# KiCad board poly_kb_molecule_8x5.kicad_pcb (continued)
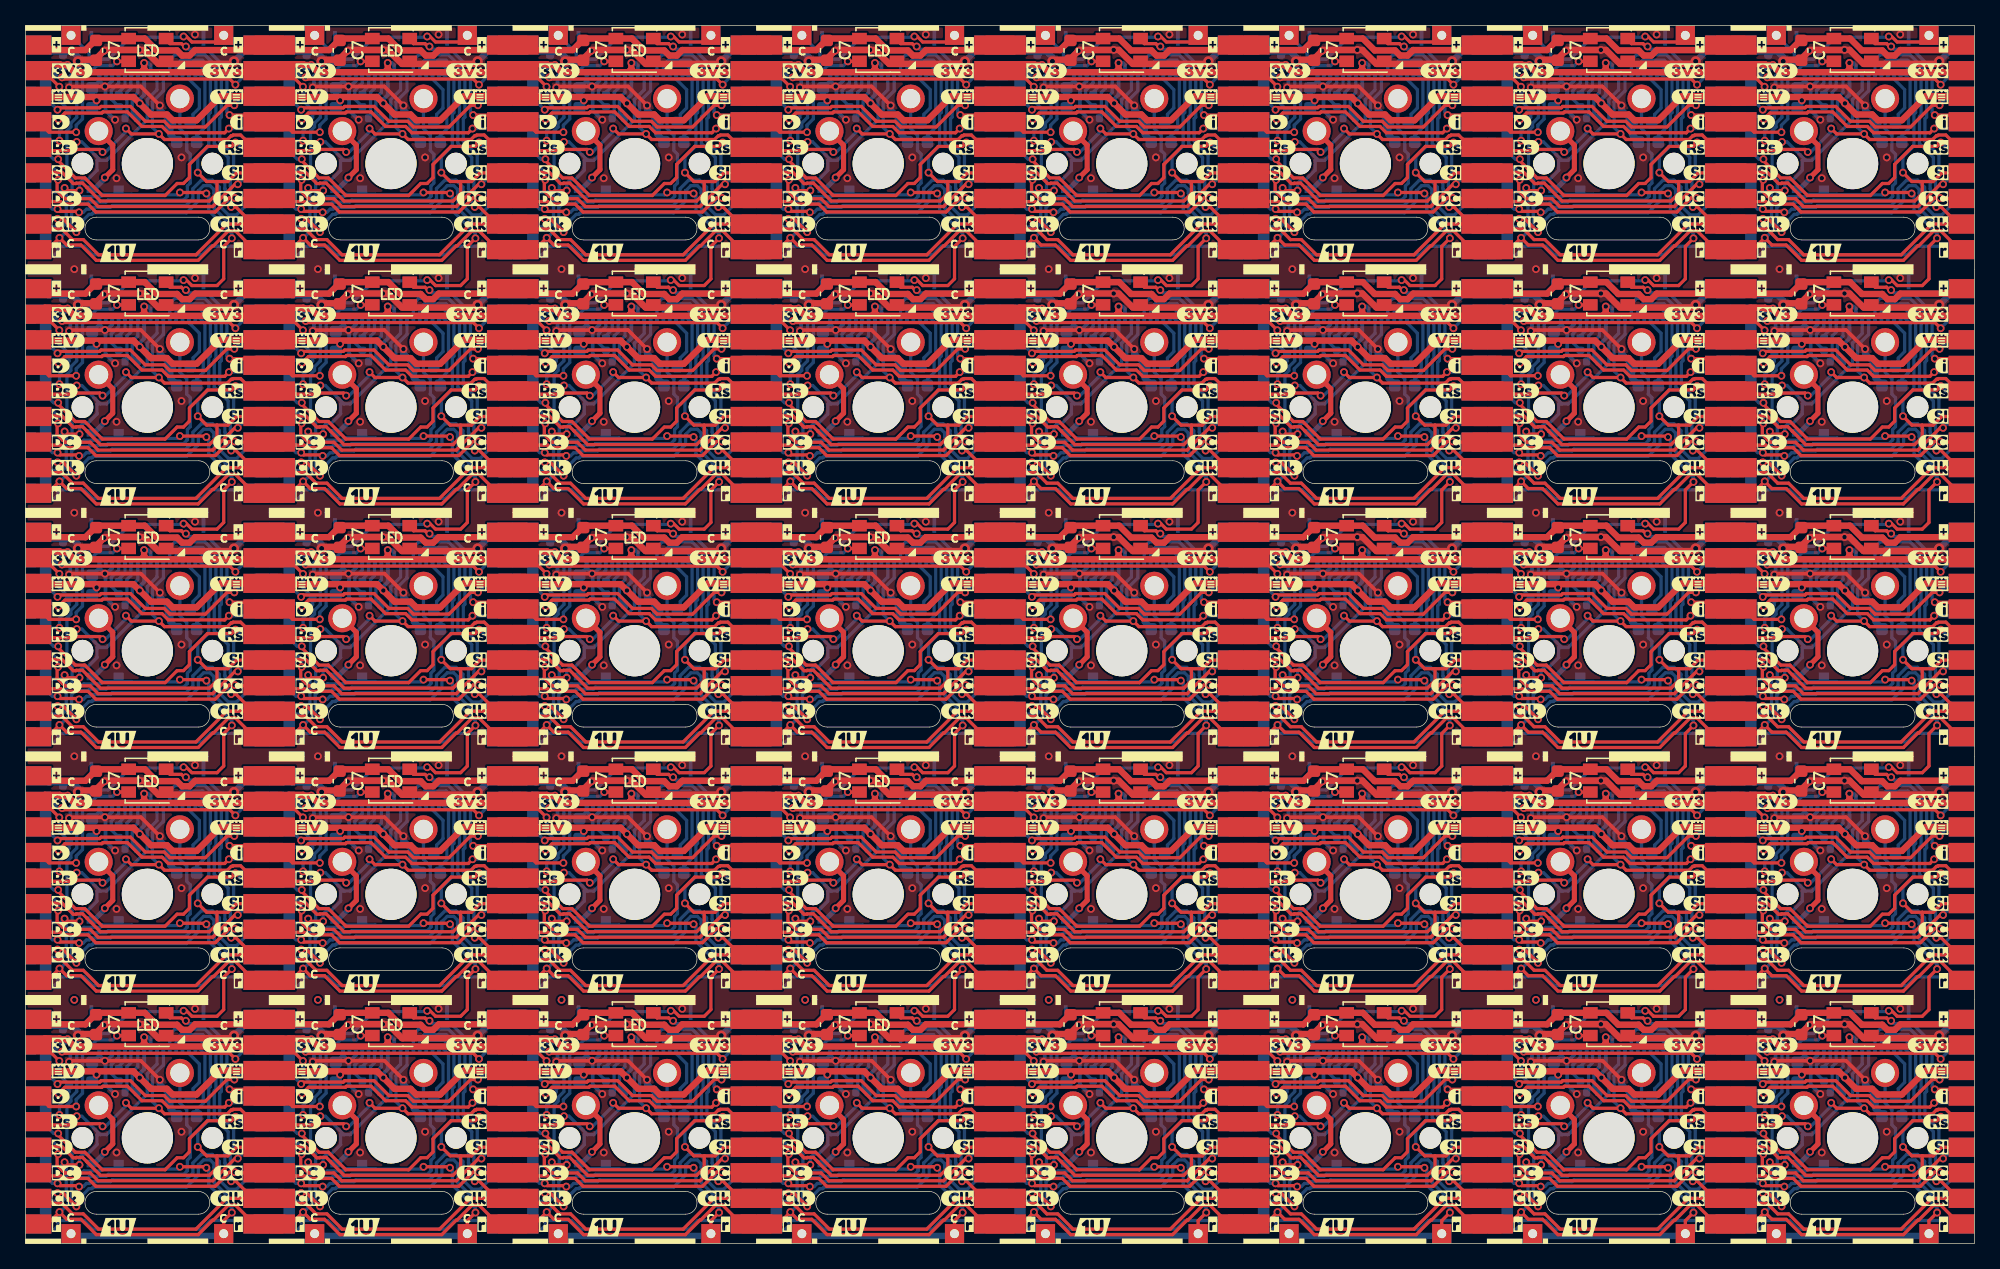
[diagram p0: board, top side]
## Routing (per net, layer and track width the routed paths; a pad name or vN(x,y) marks a point on that pad's centre or on a via; arc(x,y) is an arc through that point) (continued)
  Bottom w0.254: v1(111.38,59.56) 111.38,59.92 109.58,61.72 109.58,62.88 v1(109.39,63.07) ; v1(128.44,24.97) 128.63,24.78 128.63,23.62 130.43,21.82 v1(130.43,21.46) ; v1(14.14,24.97) 14.33,24.78 14.33,23.62 16.13,21.82 v1(16.13,21.46) ; 119.27,92.62 119.27,93.08 119.08,93.27 119.07,93.27 J8#8.1 ; 119.27,92.62 120.77,92.62 122.49,94.34 126.59,94.34 v1(126.65,94.39) ; 119.27,92.62 119.27,92.13 118.3,91.17 118.3,88.07 117.84,87.62 117.84,87.32 117.53,87.01 117.53,83.58 117.93,83.18 117.93,81.88 118.06,81.75 118.52,81.75 118.52,81.75 118.74,81.75 118.86,81.87 120.13,81.87 120.27,82.01 ; 120.27,24.86 120.13,24.72 118.86,24.72 118.74,24.6 118.52,24.6 118.52,24.6 118.06,24.6 117.93,24.73 117.93,26.03 117.53,26.43 117.53,29.86 117.84,30.17 117.84,30.47 118.3,30.92 118.3,34.02 119.27,34.98 119.29,34.98 119.77,35.47 120.77,35.47 122.49,37.19 126.59,37.19 v1(126.65,37.24) ; v1(145.7,56.29) 145.64,56.24 141.54,56.24 139.82,54.52 138.77,54.52 138.32,54.06 138.32,54.03 137.35,53.07 137.35,49.97 136.89,49.52 136.89,49.22 136.58,48.91 136.58,45.48 136.98,45.08 136.98,43.78 137.11,43.65 137.57,43.65 137.57,43.65 137.79,43.65 137.91,43.77 139.18,43.77 139.32,43.91 ; 25.02,82.01 24.88,81.87 23.61,81.87 23.49,81.75 23.27,81.75 23.27,81.75 22.81,81.75 22.68,81.88 22.68,83.18 22.28,83.58 22.28,87.01 22.59,87.32 22.59,87.62 23.05,88.07 23.05,91.17 24.02,92.13 24.02,92.62 ; 84.54,82.01 88.09,82.01 v1(88.27,82.19) ; 27.39,62.96 30.94,62.96 v1(31.12,63.14) ; 62.12,92.62 62.12,93.08 61.93,93.27 61.92,93.27 J8#6.1 ; 62.12,92.62 63.62,92.62 65.34,94.34 69.44,94.34 v1(69.5,94.39) ; 62.12,92.62 62.12,92.13 61.15,91.17 61.15,88.07 60.69,87.62 60.69,87.32 60.38,87.01 60.38,83.58 60.78,83.18 60.78,81.88 60.91,81.75 61.37,81.75 61.37,81.75 61.59,81.75 61.71,81.87 62.98,81.87 63.12,82.01 ; v1(107.32,25.04) 107.14,24.86 103.59,24.86 ; v1(14.14,63.07) 14.33,62.88 14.33,61.72 16.13,59.92 v1(16.13,59.56) ; v1(126.37,63.14) 126.19,62.96 122.64,62.96 ; 46.44,62.96 49.99,62.96 v1(50.17,63.14) ; 65.49,24.86 69.04,24.86 v1(69.22,25.04) ; J8#3.1 23.82,93.27 23.83,93.27 24.02,93.08 24.02,92.62 ; v1(73.28,59.56) 73.28,59.92 71.48,61.72 71.48,62.88 v1(71.29,63.07) ; v1(12.35,56.29) 12.29,56.24 8.19,56.24 6.47,54.52 5.43,54.52 4.97,54.05 4.97,54.03 4,53.07 4,49.97 3.54,49.52 3.54,49.22 3.23,48.91 3.23,45.48 3.63,45.08 3.63,43.78 3.76,43.65 4.22,43.65 4.22,43.65 4.44,43.65 4.56,43.77 5.83,43.77 5.97,43.91 ; J8#4.1 80.97,93.27 80.98,93.27 81.17,93.08 81.17,92.62 ; v1(90.34,44.02) 90.53,43.83 90.53,42.67 92.33,40.87 v1(92.33,40.51) ; v1(88.55,18.19) 88.49,18.14 84.39,18.14 82.67,16.42 81.67,16.42 81.18,15.93 81.17,15.93 80.2,14.97 80.2,11.87 79.74,11.42 79.74,11.12 79.43,10.81 79.43,7.38 79.83,6.98 79.83,5.68 79.96,5.55 80.42,5.55 80.42,5.55 80.64,5.55 80.76,5.67 82.03,5.67 82.17,5.81 ; v1(31.12,5.99) 30.94,5.81 27.39,5.81 ; v1(128.44,5.92) 128.63,5.73 128.63,4.57 130.43,2.77 v1(130.43,2.41) ; v1(31.12,82.19) 30.94,82.01 27.39,82.01 ; v1(35.18,2.41) 35.18,2.77 33.38,4.57 33.38,5.73 v1(33.19,5.92) ; v1(52.24,63.07) 52.43,62.88 52.43,61.72 54.23,59.92 v1(54.23,59.56) ; v1(149.48,2.41) 149.48,2.77 147.68,4.57 147.68,5.73 v1(147.49,5.92) ; v1(88.55,75.34) 88.49,75.29 84.39,75.29 82.67,73.57 81.62,73.57 81.17,73.11 81.17,73.08 80.2,72.12 80.2,69.02 79.74,68.57 79.74,68.27 79.43,67.96 79.43,64.53 79.83,64.13 79.83,62.83 79.96,62.7 80.42,62.7 80.42,62.7 80.64,62.7 80.76,62.82 82.03,62.82 82.17,62.96 ; v1(107.32,44.09) 107.14,43.91 103.59,43.91 ; 103.59,62.96 107.14,62.96 v1(107.32,63.14) ; v1(31.4,94.39) 31.34,94.34 27.24,94.34 25.52,92.62 24.02,92.62 ; 81.17,92.62 82.67,92.62 84.39,94.34 88.49,94.34 v1(88.55,94.39) ; 81.17,92.62 81.17,92.13 80.2,91.17 80.2,88.07 79.74,87.62 79.74,87.32 79.43,87.01 79.43,83.58 79.83,83.18 79.83,81.88 79.96,81.75 80.42,81.75 80.42,81.75 80.64,81.75 80.76,81.87 82.03,81.87 82.17,82.01 ; 44.07,43.91 43.93,43.77 42.66,43.77 42.54,43.65 42.32,43.65 42.32,43.65 41.86,43.65 41.73,43.78 41.73,45.08 41.33,45.48 41.33,48.91 41.64,49.22 41.64,49.52 42.1,49.97 42.1,53.07 43.07,54.03 43.07,54.05 43.53,54.52 44.57,54.52 46.29,56.24 50.39,56.24 v1(50.45,56.29) ; v1(130.43,59.56) 130.43,59.92 128.63,61.72 128.63,62.88 v1(128.44,63.07) ; v1(128.44,44.02) 128.63,43.83 128.63,42.67 130.43,40.87 v1(130.43,40.51) ; 139.32,62.96 139.18,62.82 137.91,62.82 137.79,62.7 137.57,62.7 137.57,62.7 137.11,62.7 136.98,62.83 136.98,64.13 136.58,64.53 136.58,67.96 136.89,68.27 136.89,68.57 137.35,69.02 137.35,72.12 138.32,73.08 138.32,73.1 138.78,73.57 139.82,73.57 141.54,75.29 145.64,75.29 v1(145.7,75.34) ; 122.64,24.86 126.19,24.86 v1(126.37,25.04) ; v1(31.4,56.29) 31.34,56.24 27.24,56.24 25.52,54.52 24.5,54.52 23.05,53.07 23.05,49.97 22.59,49.52 22.59,49.22 22.28,48.91 22.28,45.48 22.68,45.08 22.68,43.78 22.81,43.65 23.27,43.65 23.27,43.65 23.49,43.65 23.61,43.77 24.88,43.77 25.02,43.91 ; v1(90.34,82.12) 90.53,81.93 90.53,80.77 92.33,78.97 v1(92.33,78.61) ; 5.97,5.81 5.83,5.67 4.56,5.67 4.44,5.55 4.22,5.55 4.22,5.55 3.76,5.55 3.63,5.68 3.63,6.98 3.23,7.38 3.23,10.81 3.54,11.12 3.54,11.42 4,11.87 4,14.97 4.97,15.93 4.98,15.93 5.47,16.42 6.47,16.42 8.19,18.14 12.29,18.14 v1(12.35,18.19) ; v1(90.34,24.97) 90.53,24.78 90.53,23.62 92.33,21.82 v1(92.33,21.46) ; v1(88.55,37.24) 88.49,37.19 84.39,37.19 82.67,35.47 81.62,35.47 81.17,35.01 81.17,34.98 80.2,34.02 80.2,30.92 79.74,30.47 79.74,30.17 79.43,29.86 79.43,26.43 79.83,26.03 79.83,24.73 79.96,24.6 80.42,24.6 80.42,24.6 80.64,24.6 80.76,24.72 82.03,24.72 82.17,24.86 ; v1(50.17,82.19) 49.99,82.01 46.44,82.01 ; v1(111.38,21.46) 111.38,21.82 109.58,23.62 109.58,24.78 v1(109.39,24.97) ; v1(50.45,37.24) 50.39,37.19 46.29,37.19 44.57,35.47 43.57,35.47 43.09,34.98 43.07,34.98 42.1,34.02 42.1,30.92 41.64,30.47 41.64,30.17 41.33,29.86 41.33,26.43 41.73,26.03 41.73,24.73 41.86,24.6 42.32,24.6 42.32,24.6 42.54,24.6 42.66,24.72 43.93,24.72 44.07,24.86 ; 84.54,5.81 88.09,5.81 v1(88.27,5.99) ; v1(126.65,75.34) 126.59,75.29 122.49,75.29 120.77,73.57 119.73,73.57 119.27,73.1 119.27,73.08 118.3,72.12 118.3,69.02 117.84,68.57 117.84,68.27 117.53,67.96 117.53,64.53 117.93,64.13 117.93,62.83 118.06,62.7 118.52,62.7 118.52,62.7 118.74,62.7 118.86,62.82 120.13,62.82 120.27,62.96 ; v1(12.07,44.09) 11.89,43.91 8.34,43.91 ; v1(88.27,44.09) 88.09,43.91 84.54,43.91 ; 44.07,62.96 43.93,62.82 42.66,62.82 42.54,62.7 42.32,62.7 42.32,62.7 41.86,62.7 41.73,62.83 41.73,64.13 41.33,64.53 41.33,67.96 41.64,68.27 41.64,68.57 42.1,69.02 42.1,72.12 43.07,73.08 43.07,73.1 43.53,73.57 44.57,73.57 46.29,75.29 50.39,75.29 v1(50.45,75.34) ; v1(126.65,56.29) 126.59,56.24 122.49,56.24 120.77,54.52 119.73,54.52 119.27,54.05 119.27,54.03 118.3,53.07 118.3,49.97 117.84,49.52 117.84,49.22 117.53,48.91 117.53,45.48 117.93,45.08 117.93,43.78 118.06,43.65 118.52,43.65 118.52,43.65 118.74,43.65 118.86,43.77 120.13,43.77 120.27,43.91 ; v1(31.12,25.04) 30.94,24.86 27.39,24.86 ; v1(12.07,63.14) 11.89,62.96 8.34,62.96 ; v1(109.39,44.02) 109.58,43.83 109.58,42.67 111.38,40.87 v1(111.38,40.51) ; 141.69,43.91 145.24,43.91 v1(145.42,44.09) ; v1(90.34,63.07) 90.53,62.88 90.53,61.72 92.33,59.92 v1(92.33,59.56) ; 138.32,92.62 138.32,93.08 138.13,93.27 138.12,93.27 J8#5.1 ; 138.32,92.62 138.32,92.13 137.35,91.17 137.35,88.07 136.89,87.62 136.89,87.32 136.58,87.01 136.58,83.58 136.98,83.18 136.98,81.88 137.11,81.75 137.57,81.75 137.57,81.75 137.79,81.75 137.91,81.87 139.18,81.87 139.32,82.01 ; 138.32,92.62 139.82,92.62 141.54,94.34 145.64,94.34 v1(145.7,94.39) ; v1(54.23,21.46) 54.23,21.82 52.43,23.62 52.43,24.78 v1(52.24,24.97) ; v1(54.23,40.51) 54.23,40.87 52.43,42.67 52.43,43.83 v1(52.24,44.02) ; v1(71.29,44.02) 71.48,43.83 71.48,42.67 73.28,40.87 v1(73.28,40.51) ; v1(33.19,24.97) 33.38,24.78 33.38,23.62 35.18,21.82 v1(35.18,21.46) ; v1(145.7,37.24) 145.64,37.19 141.54,37.19 139.82,35.47 138.77,35.47 138.33,35.03 138.33,34.98 138.32,34.98 137.35,34.02 137.35,30.92 136.89,30.47 136.89,30.17 136.58,29.86 136.58,26.43 136.98,26.03 136.98,24.73 137.11,24.6 137.57,24.6 137.57,24.6 137.79,24.6 137.91,24.72 139.18,24.72 139.32,24.86 ; 101.22,24.86 101.08,24.72 99.81,24.72 99.69,24.6 99.47,24.6 99.47,24.6 99.01,24.6 98.88,24.73 98.88,26.03 98.48,26.43 98.48,29.86 98.79,30.17 98.79,30.47 99.25,30.92 99.25,34.02 100.22,34.98 100.22,35 100.68,35.47 101.72,35.47 103.44,37.19 107.54,37.19 v1(107.6,37.24) ; v1(16.13,78.61) 16.13,78.97 14.33,80.77 14.33,81.93 v1(14.14,82.12) ; v1(88.27,25.04) 88.09,24.86 84.54,24.86 ; 101.22,82.01 101.08,81.87 99.81,81.87 99.69,81.75 99.47,81.75 99.47,81.75 99.01,81.75 98.88,81.88 98.88,83.18 98.48,83.58 98.48,87.01 98.79,87.32 98.79,87.62 99.25,88.07 99.25,91.17 100.22,92.13 100.22,92.62 ; 4.97,92.62 4.97,92.13 4,91.17 4,88.07 3.54,87.62 3.54,87.32 3.23,87.01 3.23,83.58 3.63,83.18 3.63,81.88 3.76,81.75 4.22,81.75 4.22,81.75 4.44,81.75 4.56,81.87 5.83,81.87 5.97,82.01 ; 4.97,92.62 6.47,92.62 8.19,94.34 12.29,94.34 v1(12.35,94.39) ; 4.97,92.62 4.97,93.08 4.78,93.27 4.77,93.27 J8.1 ; v1(126.37,82.19) 126.19,82.01 122.64,82.01 ; v1(92.33,2.41) 92.33,2.77 90.53,4.57 90.53,5.73 v1(90.34,5.92) ; 5.97,62.96 5.83,62.82 4.56,62.82 4.44,62.7 4.22,62.7 4.22,62.7 3.76,62.7 3.63,62.83 3.63,64.13 3.23,64.53 3.23,67.96 3.54,68.27 3.54,68.57 4,69.02 4,72.12 4.97,73.08 4.97,73.11 5.42,73.57 6.47,73.57 8.19,75.29 12.29,75.29 v1(12.35,75.34) ; 139.32,5.81 139.18,5.67 137.91,5.67 137.79,5.55 137.57,5.55 137.57,5.55 137.11,5.55 136.98,5.68 136.98,6.98 136.58,7.38 136.58,10.81 136.89,11.12 136.89,11.42 137.35,11.87 137.35,14.97 138.32,15.93 138.33,15.93 138.33,15.98 138.77,16.42 139.82,16.42 141.54,18.14 145.64,18.14 v1(145.7,18.19) ; v1(31.4,37.24) 31.34,37.19 27.24,37.19 25.52,35.47 24.48,35.47 24.02,35 24.02,34.98 23.05,34.02 23.05,30.92 22.59,30.47 22.59,30.17 22.28,29.86 22.28,26.43 22.68,26.03 22.68,24.73 22.81,24.6 23.27,24.6 23.27,24.6 23.49,24.6 23.61,24.72 24.88,24.72 25.02,24.86 ; 63.12,24.86 62.98,24.72 61.71,24.72 61.59,24.6 61.37,24.6 61.37,24.6 60.91,24.6 60.78,24.73 60.78,26.03 60.38,26.43 60.38,29.86 60.69,30.17 60.69,30.47 61.15,30.92 61.15,34.02 62.12,34.98 62.13,34.98 62.13,35.03 62.57,35.47 63.62,35.47 65.34,37.19 69.44,37.19 v1(69.5,37.24) ; v1(149.48,78.61) 149.48,78.97 147.68,80.77 147.68,81.93 v1(147.49,82.12) ; 44.07,82.01 43.93,81.87 42.66,81.87 42.54,81.75 42.32,81.75 42.32,81.75 41.86,81.75 41.73,81.88 41.73,83.18 41.33,83.58 41.33,87.01 41.64,87.32 41.64,87.62 42.1,88.07 42.1,91.17 43.07,92.13 43.07,92.62 ; v1(88.27,63.14) 88.09,62.96 84.54,62.96 ; 103.59,5.81 107.14,5.81 v1(107.32,5.99) ; v1(126.65,18.19) 126.59,18.14 122.49,18.14 120.77,16.42 119.73,16.42 119.27,15.95 119.27,15.93 118.3,14.97 118.3,11.87 117.84,11.42 117.84,11.12 117.53,10.81 117.53,7.38 117.93,6.98 117.93,5.68 118.06,5.55 118.52,5.55 118.52,5.55 118.74,5.55 118.86,5.67 120.13,5.67 120.27,5.81 ; 63.12,5.81 62.98,5.67 61.71,5.67 61.59,5.55 61.37,5.55 61.37,5.55 60.91,5.55 60.78,5.68 60.78,6.98 60.38,7.38 60.38,10.81 60.69,11.12 60.69,11.42 61.15,11.87 61.15,14.97 62.12,15.93 62.13,15.93 62.13,15.98 62.57,16.42 63.62,16.42 65.34,18.14 69.44,18.14 v1(69.5,18.19) ; v1(12.07,25.04) 11.89,24.86 8.34,24.86 ; v1(126.37,5.99) 126.19,5.81 122.64,5.81 ; v1(88.55,56.29) 88.49,56.24 84.39,56.24 82.67,54.52 81.63,54.52 81.17,54.05 81.17,54.03 80.2,53.07 80.2,49.97 79.74,49.52 79.74,49.22 79.43,48.91 79.43,45.48 79.83,45.08 79.83,43.78 79.96,43.65 80.42,43.65 80.42,43.65 80.64,43.65 80.76,43.77 82.03,43.77 82.17,43.91 ; v1(14.14,44.02) 14.33,43.83 14.33,42.67 16.13,40.87 v1(16.13,40.51) ; v1(107.32,82.19) 107.14,82.01 103.59,82.01 ; v1(107.6,94.39) 107.54,94.34 103.44,94.34 101.72,92.62 100.22,92.62 ; v1(71.29,82.12) 71.48,81.93 71.48,80.77 73.28,78.97 v1(73.28,78.61) ; v1(145.42,82.19) 145.24,82.01 141.69,82.01 ; v1(52.24,5.92) 52.43,5.73 52.43,4.57 54.23,2.77 v1(54.23,2.41) ; v1(69.5,56.29) 69.44,56.24 65.34,56.24 63.62,54.52 62.57,54.52 62.12,54.06 62.12,54.03 61.15,53.07 61.15,49.97 60.69,49.52 60.69,49.22 60.38,48.91 60.38,45.48 60.78,45.08 60.78,43.78 60.91,43.65 61.37,43.65 61.37,43.65 61.59,43.65 61.71,43.77 62.98,43.77 63.12,43.91 ; v1(54.23,78.61) 54.23,78.97 52.43,80.77 52.43,81.93 v1(52.24,82.12) ; 5.97,24.86 5.83,24.72 4.56,24.72 4.44,24.6 4.22,24.6 4.22,24.6 3.76,24.6 3.63,24.73 3.63,26.03 3.23,26.43 3.23,29.86 3.54,30.17 3.54,30.47 4,30.92 4,34.02 4.97,34.98 4.97,35.01 5.42,35.47 6.47,35.47 8.19,37.19 12.29,37.19 v1(12.35,37.24) ; v1(69.22,63.14) 69.04,62.96 65.49,62.96 ; v1(12.07,82.19) 11.89,82.01 8.34,82.01 ; J8#2.1 42.87,93.27 42.88,93.27 43.07,93.08 43.07,92.62 ; 8.34,5.81 11.89,5.81 v1(12.07,5.99) ; 25.02,62.96 24.88,62.82 23.61,62.82 23.49,62.7 23.27,62.7 23.27,62.7 22.81,62.7 22.68,62.83 22.68,64.13 22.28,64.53 22.28,67.96 22.59,68.27 22.59,68.57 23.05,69.02 23.05,72.12 24.5,73.57 25.52,73.57 27.24,75.29 31.34,75.29 v1(31.4,75.34) ; 43.07,92.62 44.57,92.62 46.29,94.34 50.39,94.34 v1(50.45,94.39) ; v1(33.19,44.02) 33.38,43.83 33.38,42.67 35.18,40.87 v1(35.18,40.51) ; v1(50.45,18.19) 50.39,18.14 46.29,18.14 44.57,16.42 43.53,16.42 43.07,15.95 43.07,15.93 42.1,14.97 42.1,11.87 41.64,11.42 41.64,11.12 41.33,10.81 41.33,7.38 41.73,6.98 41.73,5.68 41.86,5.55 42.32,5.55 42.32,5.55 42.54,5.55 42.66,5.67 43.93,5.67 44.07,5.81 ; v1(35.18,78.61) 35.18,78.97 33.38,80.77 33.38,81.93 v1(33.19,82.12) ; v1(130.43,78.61) 130.43,78.97 128.63,80.77 128.63,81.93 v1(128.44,82.12) ; v1(107.6,56.29) 107.54,56.24 103.44,56.24 101.72,54.52 100.7,54.52 99.25,53.07 99.25,49.97 98.79,49.52 98.79,49.22 98.48,48.91 98.48,45.48 98.88,45.08 98.88,43.78 99.01,43.65 99.47,43.65 99.47,43.65 99.69,43.65 99.81,43.77 101.08,43.77 101.22,43.91 ; v1(109.39,82.12) 109.58,81.93 109.58,80.77 111.38,78.97 v1(111.38,78.61) ; v1(147.49,63.07) 147.68,62.88 147.68,61.72 149.48,59.92 v1(149.48,59.56) ; v1(50.17,25.04) 49.99,24.86 46.44,24.86 ; v1(69.5,75.34) 69.44,75.29 65.34,75.29 63.62,73.57 62.58,73.57 62.12,73.1 62.12,73.08 61.15,72.12 61.15,69.02 60.69,68.57 60.69,68.27 60.38,67.96 60.38,64.53 60.78,64.13 60.78,62.83 60.91,62.7 61.37,62.7 61.37,62.7 61.59,62.7 61.71,62.82 62.98,62.82 63.12,62.96 ; J8#7.1 100.02,93.27 100.03,93.27 100.22,93.08 100.22,92.62 ; v1(69.22,82.19) 69.04,82.01 65.49,82.01 ; v1(145.42,25.04) 145.24,24.86 141.69,24.86 ; 65.49,5.81 69.04,5.81 v1(69.22,5.99) ; 46.44,5.81 49.99,5.81 v1(50.17,5.99) ; v1(33.19,63.07) 33.38,62.88 33.38,61.72 35.18,59.92 v1(35.18,59.56) ; 101.22,5.81 101.08,5.67 99.81,5.67 99.69,5.55 99.47,5.55 99.47,5.55 99.01,5.55 98.88,5.68 98.88,6.98 98.48,7.38 98.48,10.81 98.79,11.12 98.79,11.42 99.25,11.87 99.25,14.97 100.7,16.42 101.72,16.42 103.44,18.14 107.54,18.14 v1(107.6,18.19) ; v1(145.42,5.99) 145.24,5.81 141.69,5.81 ; 101.22,62.96 101.08,62.82 99.81,62.82 99.69,62.7 99.47,62.7 99.47,62.7 99.01,62.7 98.88,62.83 98.88,64.13 98.48,64.53 98.48,67.96 98.79,68.27 98.79,68.57 99.25,69.02 99.25,72.12 100.7,73.57 101.72,73.57 103.44,75.29 107.54,75.29 v1(107.6,75.34) ; 65.49,43.91 69.04,43.91 v1(69.22,44.09) ; v1(145.42,63.14) 145.24,62.96 141.69,62.96 ; 27.39,43.91 30.94,43.91 v1(31.12,44.09) ; v1(31.4,18.19) 31.34,18.14 27.24,18.14 25.52,16.42 24.5,16.42 23.05,14.97 23.05,11.87 22.59,11.42 22.59,11.12 22.28,10.81 22.28,7.38 22.68,6.98 22.68,5.68 22.81,5.55 23.27,5.55 23.27,5.55 23.49,5.55 23.61,5.67 24.88,5.67 25.02,5.81 ; v1(149.48,21.46) 149.48,21.82 147.68,23.62 147.68,24.78 v1(147.49,24.97) ; v1(73.28,21.46) 73.28,21.82 71.48,23.62 71.48,24.78 v1(71.29,24.97) ; v1(50.17,44.09) 49.99,43.91 46.44,43.91 ; v1(71.29,5.92) 71.48,5.73 71.48,4.57 73.28,2.77 v1(73.28,2.41) ; 122.64,43.91 126.19,43.91 v1(126.37,44.09) ; v1(109.39,5.92) 109.58,5.73 109.58,4.57 111.38,2.77 v1(111.38,2.41) ; v1(149.48,40.51) 149.48,40.87 147.68,42.67 147.68,43.83 v1(147.49,44.02) ; v1(14.14,5.92) 14.33,5.73 14.33,4.57 16.13,2.77 v1(16.13,2.41)
  Bottom w0.5: J7.1 137.08,0.59 148.67,0.59 J9#2.1 ; J9#7.1 53.42,0.59 41.83,0.59 J7#3.1 ; J9.1 91.52,0.59 79.93,0.59 J7#8.1 ; J7#2.1 98.98,0.59 110.57,0.59 J9#6.1 ; J7#6.1 3.73,0.59 15.32,0.59 J9#5.1 ; J9#4.1 72.47,0.59 60.88,0.59 J7#7.1 ; J7#5.1 118.03,0.59 129.62,0.59 J9#3.1 ; J7#4.1 22.78,0.59 34.37,0.59 J9#8.1
/Keyboard/sheet605ED2EB/KeyRow: length 1660.4
  Top w0.254: J4#16.9 36.93,58.67 35.46,60.15 34.92,60.15 33.75,58.98 33.69,58.98 32.55,57.84 24.58,57.84 23.38,59.04 22.26,59.04 v1(21.7,59.6) 20.77,58.67 20.32,58.67 ; J4#11.9 17.88,39.62 16.41,41.1 15.87,41.1 14.7,39.93 14.64,39.93 13.5,38.79 5.53,38.79 4.33,39.99 3.21,39.99 v1(2.65,40.55) 1.73,39.62 1.27,39.62 ; 115.57,58.67 116.03,58.67 v1(116.95,59.6) 117.51,59.04 118.63,59.04 119.83,57.84 127.8,57.84 128.94,58.98 129,58.98 130.17,60.15 130.71,60.15 132.18,58.67 J4#10.9 ; 20.32,1.53 20.77,1.53 v1(21.7,2.45) 22.26,1.89 23.38,1.89 24.58,0.69 32.55,0.69 33.69,1.83 33.75,1.83 34.92,3 35.46,3 36.93,1.53 J4#21.9 ; J4#40.9 36.93,77.72 35.46,79.2 34.92,79.2 33.75,78.03 33.69,78.03 32.55,76.89 24.58,76.89 23.38,78.09 22.26,78.09 v1(21.7,78.65) 20.77,77.72 20.32,77.72 ; J4#12.9 94.08,1.53 92.61,3 92.07,3 90.9,1.83 90.84,1.83 89.7,0.69 81.73,0.69 80.53,1.89 79.41,1.89 v1(78.85,2.45) 77.92,1.53 77.47,1.53 ; 58.42,39.62 58.88,39.62 v1(59.8,40.55) 60.36,39.99 61.48,39.99 62.68,38.79 70.65,38.79 71.79,39.93 71.85,39.93 73.02,41.1 73.56,41.1 75.03,39.62 J4#26.9 ; 96.52,1.53 96.97,1.53 v1(97.9,2.45) 98.46,1.89 99.58,1.89 100.78,0.69 108.75,0.69 109.89,1.83 109.95,1.83 111.12,3 111.66,3 113.13,1.53 J4#23.9 ; 39.37,58.67 39.83,58.67 v1(40.75,59.6) 41.31,59.04 42.43,59.04 43.63,57.84 51.6,57.84 52.74,58.98 52.8,58.98 53.97,60.15 54.51,60.15 55.98,58.67 J4#22.9 ; 77.47,58.67 77.92,58.67 v1(78.85,59.6) 79.41,59.04 80.53,59.04 81.73,57.84 89.7,57.84 90.84,58.98 90.9,58.98 92.07,60.15 92.61,60.15 94.08,58.67 J4#30.9 ; 115.57,20.57 116.03,20.57 v1(116.95,21.5) 117.51,20.94 118.63,20.94 119.83,19.74 127.8,19.74 128.94,20.88 129,20.88 130.17,22.05 130.71,22.05 132.18,20.57 J4#2.9 ; 77.47,39.62 77.92,39.62 v1(78.85,40.55) 79.41,39.99 80.53,39.99 81.73,38.79 89.7,38.79 90.84,39.93 90.9,39.93 92.07,41.1 92.61,41.1 94.08,39.62 J4#33.9 ; 96.52,77.72 96.97,77.72 v1(97.9,78.65) 98.46,78.09 99.58,78.09 100.78,76.89 108.75,76.89 109.89,78.03 109.95,78.03 111.12,79.2 111.66,79.2 113.13,77.72 J4#19.9 ; J4#5.9 75.03,58.67 73.56,60.15 73.02,60.15 71.85,58.98 71.79,58.98 70.65,57.84 62.68,57.84 61.48,59.04 60.36,59.04 v1(59.8,59.6) 58.88,58.67 58.42,58.67 ; J4#34.9 36.93,20.57 35.46,22.05 34.92,22.05 33.75,20.88 33.69,20.88 32.55,19.74 24.58,19.74 23.38,20.94 22.26,20.94 v1(21.7,21.5) 20.77,20.57 20.32,20.57 ; J4#28.9 55.98,77.72 54.51,79.2 53.97,79.2 52.8,78.03 52.74,78.03 51.6,76.89 43.63,76.89 42.43,78.09 41.31,78.09 v1(40.75,78.65) 39.83,77.72 39.37,77.72 ; 115.57,39.62 116.03,39.62 v1(116.95,40.55) 117.51,39.99 118.63,39.99 119.83,38.79 127.8,38.79 128.94,39.93 129,39.93 130.17,41.1 130.71,41.1 132.18,39.62 J4#13.9 ; 20.32,39.62 20.77,39.62 v1(21.7,40.55) 22.26,39.99 23.38,39.99 24.58,38.79 32.55,38.79 33.69,39.93 33.75,39.93 34.92,41.1 35.46,41.1 36.93,39.62 J4#27.9 ; 39.37,20.57 39.83,20.57 v1(40.75,21.5) 41.31,20.94 42.43,20.94 43.63,19.74 51.6,19.74 52.74,20.88 52.8,20.88 53.97,22.05 54.51,22.05 55.98,20.57 J4#38.9 ; 96.52,58.67 96.97,58.67 v1(97.9,59.6) 98.46,59.04 99.58,59.04 100.78,57.84 108.75,57.84 109.89,58.98 109.95,58.98 111.12,60.15 111.66,60.15 113.13,58.67 J4#8.9 ; 58.42,20.57 58.88,20.57 v1(59.8,21.5) 60.36,20.94 61.48,20.94 62.68,19.74 70.65,19.74 71.79,20.88 71.85,20.88 73.02,22.05 73.56,22.05 75.03,20.57 J4#29.9 ; J4#15.9 75.03,77.72 73.56,79.2 73.02,79.2 71.85,78.03 71.79,78.03 70.65,76.89 62.68,76.89 61.48,78.09 60.36,78.09 v1(59.8,78.65) 58.88,77.72 58.42,77.72 ; 96.52,39.62 96.97,39.62 v1(97.9,40.55) 98.46,39.99 99.58,39.99 100.78,38.79 108.75,38.79 109.89,39.93 109.95,39.93 111.12,41.1 111.66,41.1 113.13,39.62 J4#18.9 ; J4#17.9 94.08,77.72 92.61,79.2 92.07,79.2 90.9,78.03 90.84,78.03 89.7,76.89 81.73,76.89 80.53,78.09 79.41,78.09 v1(78.85,78.65) 77.92,77.72 77.47,77.72 ; J4#14.9 75.03,1.53 73.56,3 73.02,3 71.85,1.83 71.79,1.83 70.65,0.69 62.68,0.69 61.48,1.89 60.36,1.89 v1(59.8,2.45) 58.88,1.53 58.42,1.53 ; 134.62,1.53 135.07,1.53 v1(136,2.45) 136.56,1.89 137.68,1.89 138.88,0.69 146.85,0.69 147.99,1.83 148.05,1.83 149.22,3 149.76,3 151.23,1.53 J4#39.9 ; 1.27,1.53 1.73,1.53 v1(2.65,2.45) 3.21,1.89 4.33,1.89 5.53,0.69 13.5,0.69 14.64,1.83 14.7,1.83 15.87,3 16.41,3 17.88,1.53 J4#9.9 ; 134.62,58.67 135.07,58.67 v1(136,59.6) 136.56,59.04 137.68,59.04 138.88,57.84 146.85,57.84 147.99,58.98 148.05,58.98 149.22,60.15 149.76,60.15 151.23,58.67 J4#7.9 ; 134.62,39.62 135.07,39.62 v1(136,40.55) 136.56,39.99 137.68,39.99 138.88,38.79 146.85,38.79 147.99,39.93 148.05,39.93 149.22,41.1 149.76,41.1 151.23,39.62 J4#32.9 ; J4.9 17.88,77.72 16.41,79.2 15.87,79.2 14.7,78.03 14.64,78.03 13.5,76.89 5.53,76.89 4.33,78.09 3.21,78.09 v1(2.65,78.65) 1.73,77.72 1.27,77.72 ; 39.37,39.62 39.83,39.62 v1(40.75,40.55) 41.31,39.99 42.43,39.99 43.63,38.79 51.6,38.79 52.74,39.93 52.8,39.93 53.97,41.1 54.51,41.1 55.98,39.62 J4#3.9 ; J4#36.9 17.88,58.67 16.41,60.15 15.87,60.15 14.7,58.98 14.64,58.98 13.5,57.84 5.53,57.84 4.33,59.04 3.21,59.04 v1(2.65,59.6) 1.73,58.67 1.27,58.67 ; J4#37.9 55.98,1.53 54.51,3 53.97,3 52.8,1.83 52.74,1.83 51.6,0.69 43.63,0.69 42.43,1.89 41.31,1.89 v1(40.75,2.45) 39.83,1.53 39.37,1.53 ; J4#24.9 132.18,77.72 130.71,79.2 130.17,79.2 129,78.03 128.94,78.03 127.8,76.89 119.83,76.89 118.63,78.09 117.51,78.09 v1(116.95,78.65) 116.03,77.72 115.57,77.72 ; J4#35.9 17.88,20.57 16.41,22.05 15.87,22.05 14.7,20.88 14.64,20.88 13.5,19.74 5.53,19.74 4.33,20.94 3.21,20.94 v1(2.65,21.5) 1.73,20.57 1.27,20.57 ; J4#31.9 151.23,77.72 149.76,79.2 149.22,79.2 148.05,78.03 147.99,78.03 146.85,76.89 138.88,76.89 137.68,78.09 136.56,78.09 v1(136,78.65) 135.07,77.72 134.62,77.72 ; J4#20.9 151.23,20.57 149.76,22.05 149.22,22.05 148.05,20.88 147.99,20.88 146.85,19.74 138.88,19.74 137.68,20.94 136.56,20.94 v1(136,21.5) 135.07,20.57 134.62,20.57 ; J4#6.9 132.18,1.53 130.71,3 130.17,3 129,1.83 128.94,1.83 127.8,0.69 119.83,0.69 118.63,1.89 117.51,1.89 v1(116.95,2.45) 116.03,1.53 115.57,1.53 ; J4#25.9 94.08,20.57 92.61,22.05 92.07,22.05 90.9,20.88 90.84,20.88 89.7,19.74 81.73,19.74 80.53,20.94 79.41,20.94 v1(78.85,21.5) 77.92,20.57 77.47,20.57 ; 96.52,20.57 96.97,20.57 v1(97.9,21.5) 98.46,20.94 99.58,20.94 100.78,19.74 108.75,19.74 109.89,20.88 109.95,20.88 111.12,22.05 111.66,22.05 113.13,20.57 J4#4.9